# Altium PCB PCB1.PcbDoc (part 1 of 2) (continued)
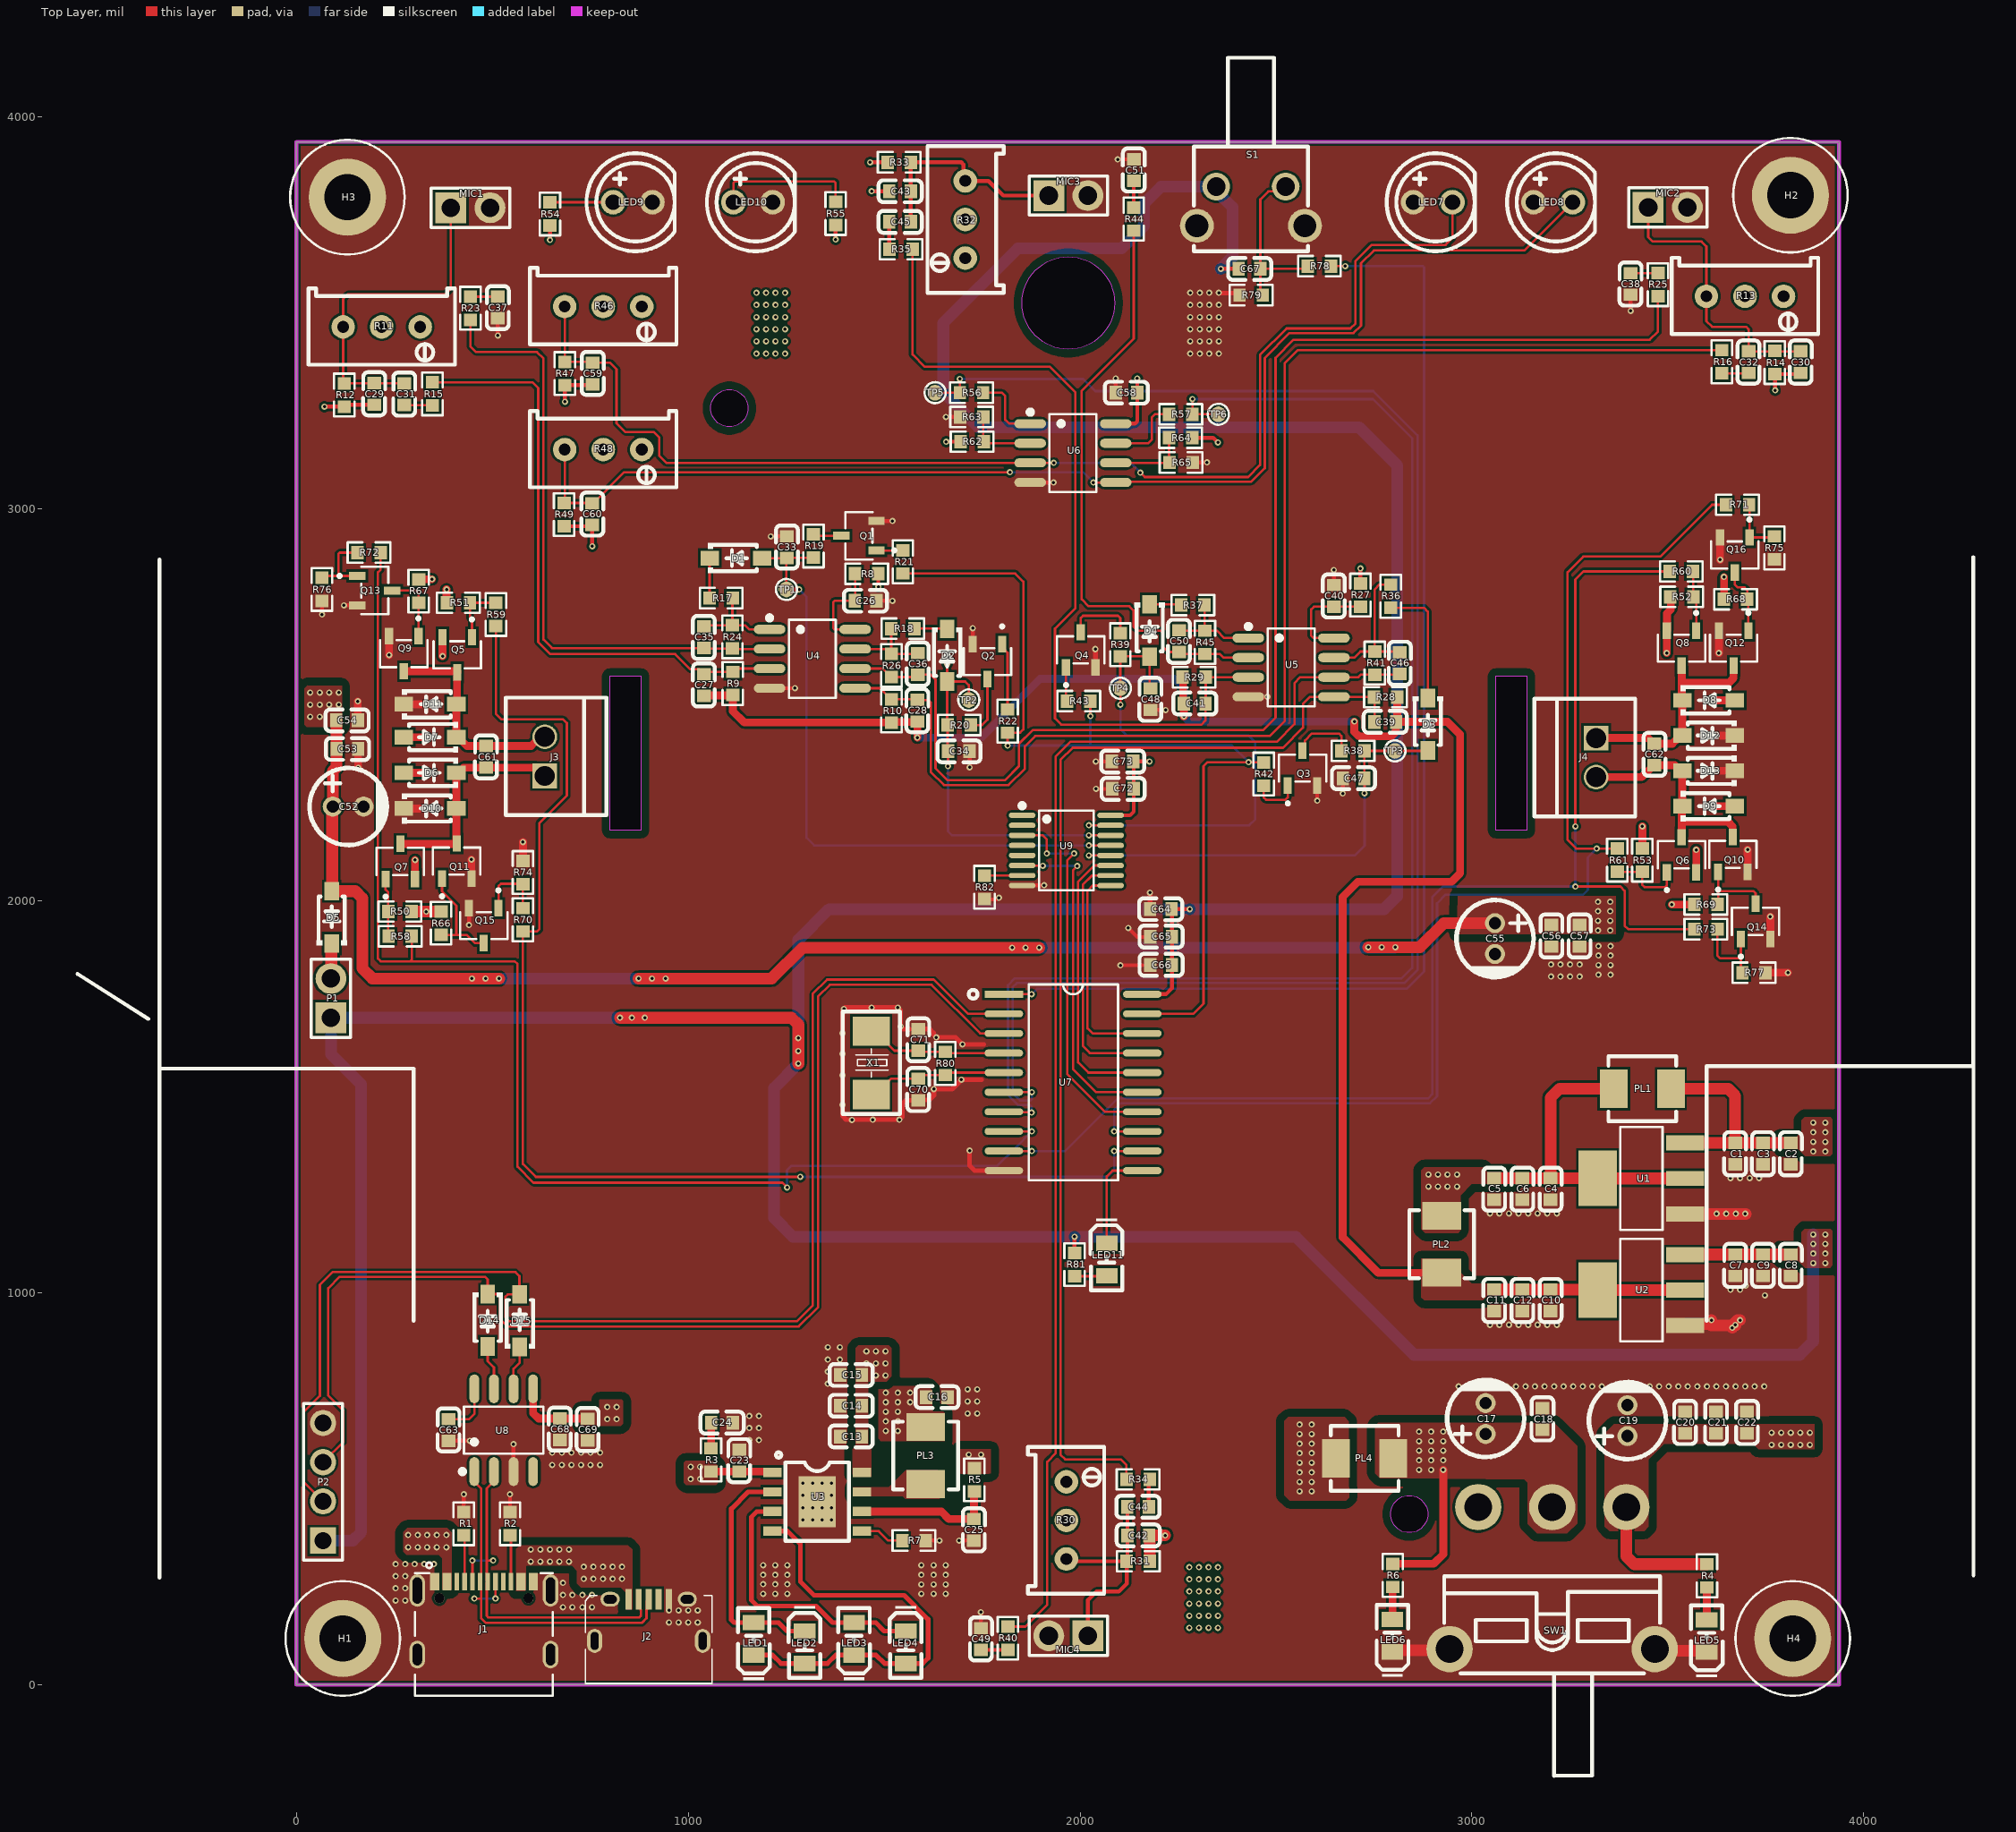
[diagram p0: Top Layer view]
## Design rules (kind name [scope] priority, off if disabled: settings)
Clearance [All] p1: gap=6 ignorepadtopadclearanceinfootprint=TRUE except(20: Fill-Fill Fill-Poly Fill-Region Poly-Poly Poly-Region Region-Region)
DiffPairsRouting [All] p1: maxlimit=8 minlimit=8 mostfreqgap=8 toplayer_minwidth=6.23 toplayer_maxwidth=6.23 toplayer_prefwidth=6.23 midlayer1_minwidth=6.23 midlayer1_maxwidth=6.23 midlayer1_prefwidth=6.23 midlayer2_minwidth=6.23 midlayer2_maxwidth=6.23 midlayer2_prefwidth=6.23 bottomlayer_minwidth=6.23 bottomlayer_maxwidth=6.23 bottomlayer_prefwidth=6.23 maxuncoupledlength=500
MinimumSolderMaskSliver [All] p1: minsoldermaskwidth=4
PolygonConnect POWER [InNetClass('PWR')] p1: connectstyle=Direct reliefconductorwidth=10 reliefentries=4 polygonreliefangle="90 Angle" airgapwidth=10
PolygonConnect [All] p2: thpad.connectstyle=Direct thpad.reliefconductorwidth=10 thpad.reliefentries=4 thpad.polygonreliefangle="90 Angle" thpad.airgapwidth=10 smdpad.connectstyle=Relief smdpad.reliefconductorwidth=10 smdpad.reliefentries=4 smdpad.polygonreliefangle="90 Angle" smdpad.airgapwidth=10 via.connectstyle=Direct via.reliefconductorwidth=10 via.reliefentries=4 via.polygonreliefangle="90 Angle" via.airgapwidth=10
RoutingVias [All] p1: holewidth=8 width=16 viastyle="Through Hole" minholewidth=8 minwidth=16 maxholewidth=8 maxwidth=16
SilkToSilkClearance [All] p1: silktosilkclearance=4
SilkToSolderMaskClearance [IsPad] p1: minsilkscreentomaskgap=4 clearancetoexposedcopper=TRUE
SolderMaskExpansion [All] p1: expansion=4 istentingtop=FALSE
Width PWR [InNetClass('PWR')] p1: maxlimit=30 minlimit=10 preferedwidth=10
Width [All] p2: maxlimit=50 minlimit=6 preferedwidth=6
26 further rules are at their usual default settings.

## Classes and differential pairs
net class PWR: 1.2V 3.3V 5V GND Motor_5V NetD5_1 NetPL3_1 VBAT_5V VBUS VBUS_5V VBUS_OUT
component class 03-MCU: C52 C53 C54 C55 C56 C57 C58 C59 C60 C61 C62 C63 C64 C65 C66 C67 C68 C69 C70 C71 C72 C73 D5 D6 D7 D8 D9 D10 D11 D12 D13 D14 D15 J3 J4 LED7 LED8 LED9 LED10 LED11 P1 P2 Q5 Q6 Q7 Q8 Q9 Q10 Q11 Q12 Q13 Q14 Q15 Q16 R46 R47 R48 R49 R50 R51 R52 R53 R54 R55 R56 R57 R58 R59 R60 R61 R62 R63 R64 R65 R66 R67 R68 R69 R70 R71 R72 R73 R74 R75 R76 R77 R78 R79 R80 R81 R82 S1 TP5 TP6 U6 U7 U8 U9 X1
component class 02-MIC: C26 C27 C28 C29 C30 C31 C32 C33 C34 C35 C36 C37 C38 C39 C40 C41 C42 C43 C44 C45 C46 C47 C48 C49 C50 C51 D1 D2 D3 D4 MIC1 MIC2 MIC3 MIC4 Q1 Q2 Q3 Q4 R8 R9 R10 R11 R12 R13 R14 R15 R16 R17 R18 R19 R20 R21 R22 R23 R24 R25 R26 R27 R28 R29 R30 R31 R32 R33 R34 R35 R36 R37 R38 R39 R40 R41 R42 R43 R44 R45 TP1 TP2 TP3 TP4 U4 U5
component class 01-POWER: BT1 BT2 C1 C2 C3 C4 C5 C6 C7 C8 C9 C10 C11 C12 C13 C14 C15 C16 C17 C18 C19 C20 C21 C22 C23 C24 C25 H1 H2 H3 H4 J1 J2 LED1 LED2 LED3 LED4 LED5 LED6 PL1 PL2 PL3 PL4 R1 R2 R3 R4 R5 R6 R7 SW1 U1 U2 U3
differential pair D: +D_P -D_N

## Components (designator, comment, footprint, x,y, rotation, side; value= is the part's Value field where it differs from the comment)
BT1 "18650" BAT-SMD-18650 2525,1846.5 r0 bottom locked
BT2 "18650" BAT-SMD-18650 1420,1846.5 r180 bottom locked
C1 "10uF" CAP-SMD-0603 3672,1355.44 r90 top
C2 "1uF" CAP-SMD-0603 3814,1355.44 r90 top
C3 "10uF" CAP-SMD-0603 3743,1355.44 r90 top
C4 "22uF" CAP-SMD-0603 3201,1265 r90 top
C5 "1uF" CAP-SMD-0603 3057,1265 r90 top
C6 "100nF" CAP-SMD-0603 3129,1265 r90 top
C7 "10uF" CAP-SMD-0603 3672,1070.44 r90 top
C8 "1uF" CAP-SMD-0603 3814,1070.44 r90 top
C9 "10uF" CAP-SMD-0603 3743,1070.44 r90 top
C10 "22uF" CAP-SMD-0603 3201,981 r90 top
C11 "1uF" CAP-SMD-0603 3057,981 r90 top
C12 "100nF" CAP-SMD-0603 3129,981 r90 top
C13 "22uF" CAP-SMD-0603 1415.44,633.5 r180 top
C14 "22uF" CAP-SMD-0603 1415.44,712 r180 top
C15 "22uF" CAP-SMD-0603 1415.44,790.5 r180 top
C16 "22uF" CAP-SMD-0603 1634.56,734 r180 top
C17 "100uF" CAPA-TH-5020-P2.0 3035,679.37 r90 top
C18 "100nF" CAP-SMD-0603 3180,678 r270 top
C19 "100uF" CAPA-TH-5020-P2.0 3397,674 r90 top
C20 "22uF" CAP-SMD-0603 3544,669 r270 top
C21 "1uF" CAP-SMD-0603 3623,669 r270 top
C22 "100nF" CAP-SMD-0603 3702,669 r270 top
C23 "10uF" CAP-SMD-0603 1130,571.56 r270 top
C24 "10uF" CAP-SMD-0603 1086,669 r180 top
C25 "22uF" CAP-SMD-0603 1729,395.44 r90 top
C26 "100nF" CAP-SMD-0603 1452.6,2765.98 r0 top
C27 "82nF_NC" CAP-SMD-0603 1039.6,2550.98 r270 top
C28 "82nF_NC" CAP-SMD-0603 1584.6,2485.42 r270 top
C29 "82nF_NC" CAP-SMD-0603 198.36,3294 r270 top
C30 "82nF_NC" CAP-SMD-0603 3839,3375 r270 top
C31 "10uF" CAP-SMD-0603 275,3293 r270 top
C32 "10uF" CAP-SMD-0603 3706,3375 r270 top
C33 "10uF" CAP-SMD-0603 1251.6,2902.98 r270 top
C34 "10uF" CAP-SMD-0603 1690.6,2381.98 r180 top
C35 "82nF" CAP-SMD-0603 1039.6,2672.98 r90 top
C36 "82nF" CAP-SMD-0603 1585.6,2604.98 r90 top
C37 "10uF" CAP-SMD-0603 514,3514.56 r90 top
C38 "10uF" CAP-SMD-0603 3405,3574.56 r90 top
C39 "82nF_NC" CAP-SMD-0603 2779,2457 r0 top
C40 "100nF" CAP-SMD-0603 2647.6,2778.53 r90 top
C41 "82nF_NC" CAP-SMD-0603 2292.6,2503.98 r180 top
C42 "82nF_NC" CAP-SMD-0603 2148.56,381 r0 top
C43 "82nF_NC" CAP-SMD-0603 1540.56,3811.08 r180 top
C44 "10uF" CAP-SMD-0603 2148,454 r0 top
C45 "10uF" CAP-SMD-0603 1540.56,3733 r180 top
C46 "82nF" CAP-SMD-0603 2816,2607 r90 top
C47 "10uF" CAP-SMD-0603 2698.04,2312.98 r0 top
C48 "10uF" CAP-SMD-0603 2179.6,2514.98 r90 top
C49 "10uF" CAP-SMD-0603 1746.9,116.66 r270 top
C50 "82nF" CAP-SMD-0603 2252.6,2662.98 r90 top
C51 "10uF" CAP-SMD-0603 2137,3865 r270 top
C52 "100uF" CAPA-TH-5020-P2.0 132,2241 r0 top
C53 "10uF" CAP-SMD-0603 130,2388 r180 top
C54 "100nF" CAP-SMD-0603 129,2461 r180 top
C55 "100uF" CAPA-TH-5020-P2.0 3059,1904 r270 top
C56 "10uF" CAP-SMD-0603 3203,1911 r90 top
C57 "100nF" CAP-SMD-0603 3275,1911 r90 top
C58 "100nF" CAP-SMD-0603 2118.44,3297 r0 top
C59 "100nF" CAP-SMD-0603 756,3346 r270 top
C60 "100nF" CAP-SMD-0603 755,2987 r270 top
C61 "100nF" CAP-SMD-0603 484,2368 r90 top
C62 "100nF" CAP-SMD-0603 3466,2374 r270 top
C63 "100nF" CAP-SMD-0603 388,650 r270 top
C64 "10uF" CAP-SMD-0603 2206,1979 r0 top
C65 "1uF" CAP-SMD-0603 2207,1909 r0 top
C66 "100nF" CAP-SMD-0603 2207,1837 r0 top
C67 "100nF" CAP-SMD-0603 2432.44,3613 r180 top
C68 "100nF" CAP-SMD-0603 672,652 r270 top
C69 "10uF" CAP-SMD-0603 743,651 r270 top
C70 "12pF" CAP-SMD-0603 1587,1519 r90 top
C71 "12pF" CAP-SMD-0603 1587,1645.56 r270 top
C72 "100nF" CAP-SMD-0603 2109.44,2286 r180 top
C73 "20uF" CAP-SMD-0603 2108.44,2356 r180 top
D1 "1N4007" SOD-123-P3.4 1121.6,2874.98 r0 top
D2 "1N4007" SOD-123-P3.4 1660.6,2626.98 r270 top
D3 "1N4007" SOD-123-P3.4 2887.6,2450.98 r270 top
D4 "1N4007" SOD-123-P3.4 2177.6,2689.98 r270 top
D5 "SS14" SOD-123-P3.4 90,1958 r90 top
D6 "SS14" SOD-123-P3.4 341,2327 r180 top
D7 "SS14" SOD-123-P3.4 341,2418 r180 top
D8 "SS14" SOD-123-P3.4 3604,2512 r0 top
D9 "SS14" SOD-123-P3.4 3604,2242 r0 top
D10 "SS14" SOD-123-P3.4 341,2236 r0 top
D11 "SS14" SOD-123-P3.4 341,2502 r0 top
D12 "SS14" SOD-123-P3.4 3604,2422 r180 top
D13 "SS14" SOD-123-P3.4 3604,2332 r180 top
D14 "1N4007" SOD-123-P3.4 488,929.9 r270 top
D15 "1N4007" SOD-123-P3.4 570,929 r90 top
H1 "M3" M3-5030-0.3 118.11,118.11 r0 top locked
H2 "M3" M3-5030-0.3 3813,3801 r0 top locked
H3 "M3" M3-5030-0.3 130,3796 r0 top locked
H4 "M3" M3-5030-0.3 3818.9,118.11 r0 top locked
J1 "TYPE-C-16P" TYPE-C-SMD-16P 478.47,169.99 r0 top
J2 "Microusb" MICROUSB-SMD-5P 899,165 r0 top
J3 "CONN-2P" CONN-TH-CDS-1X2P-P2.54 634,2369 r90 top
J4 "CONN-2P" CONN-TH-CDS-1X2P-P2.54 3317,2366 r270 top
LED1 "25%" LED-SMD-0805 1167,117 r90 top
LED2 "50%" LED-SMD-0805 1297,95.73 r270 top
LED3 "75%" LED-SMD-0805 1423,117 r90 top
LED4 "100%" LED-SMD-0805 1555,95.73 r270 top
LED5 "LED" LED-SMD-0805 3599,124.35 r90 top
LED6 "LED" LED-SMD-0805 2797,125.35 r90 top
LED7 "LED" LED-TH-D5.0-P2.54 2900.3,3783 r0 top
LED8 "LED" LED-TH-D5.0-P2.54 3207.3,3783 r0 top
LED9 "LED" LED-TH-D5.0-P2.54 858.3,3783 r0 top
LED10 "LED" LED-TH-D5.0-P2.54 1165.3,3783 r0 top
LED11 "LED" LED-SMD-0805 2068,1085 r270 top
MIC1 "MIC" CONN-TH-1X2P-P2.54_2 445,3805 r0 top locked
MIC2 "MIC" CONN-TH-1X2P-P2.54_2 3501,3806 r0 top locked
MIC3 "MIC" CONN-TH-1X2P-P2.54_2 1971,3836 r0 top
MIC4 "MIC" CONN-TH-1X2P-P2.54_2 1969,89 r180 top locked
P1 "CONN-HDR-1x2P" CONN-TH-1X2P-P2.54 88,1752 r90 top
P2 "CONN-HDR-1x4P" CONN-TH-1X4P-P2.54 68,518 r90 top
PL1 "1206_0R_NC" PL-SMD_4.4X4.2-P3.7 3435,1521 r180 top
PL2 "1206_0R_NC" PL-SMD_4.4X4.2-P3.7 2923,1124 r270 top
PL3 "1uH" PL-SMD_4.4X4.2-P3.7 1606,584.8 r90 top
PL4 "1206_0R" PL-SMD_4.4X4.2-P3.7 2726.2,578 r0 top
Q1 "SS8050" SOT-23-3-LP2.28-P1.91 1435.6,2931.98 r0 top
Q2 "SS8050" SOT-23-3-LP2.28-P1.91 1763.6,2610.67 r90 top
Q3 "SS8050" SOT-23-3-LP2.28-P1.91 2567.6,2338.98 r270 top
Q4 "SS8050" SOT-23-3-LP2.28-P1.91 2001.6,2640.98 r270 top
Q5 "SS8550" SOT-23-3-LP2.28-P1.91 410.4,2628.32 r90 top
Q6 "SS8550" SOT-23-3-LP2.28-P1.91 3535,2118 r270 top
Q7 "SS8550" SOT-23-3-LP2.28-P1.91 265,2101 r270 top
Q8 "SS8550" SOT-23-3-LP2.28-P1.91 3535,2645 r90 top
Q9 "SS8050" SOT-23-3-LP2.28-P1.91 274,2631 r90 top
Q10 "SS8050" SOT-23-3-LP2.28-P1.91 3666,2119 r270 top
Q11 "SS8050" SOT-23-3-LP2.28-P1.91 409,2102 r270 top
Q12 "SS8050" SOT-23-3-LP2.28-P1.91 3668,2645 r90 top
Q13 "SS8050" SOT-23-3-LP2.28-P1.91 200,2792 r180 top
Q14 "SS8050" SOT-23-3-LP2.28-P1.91 3724,1948 r270 top
Q15 "SS8050" SOT-23-3-LP2.28-P1.91 478,1937 r90 top
Q16 "SS8050" SOT-23-3-LP2.28-P1.91 3671,2883 r90 top
R1 "5.1K" RES-SMD-0603 427,410.66 r270 top
R2 "5.1K" RES-SMD-0603 545,410.66 r90 top
R3 "2R" RES-SMD-0603 1058,573.66 r270 top
R4 "1K" RES-SMD-0603 3600,278 r90 top
R5 "0.5R" RES-SMD-0603 1730,523 r90 top
R6 "1K" RES-SMD-0603 2798,279 r90 top
R7 "0805_0R_NC" RES-SMD-0603 1576,368 r180 top
R8 "10R" RES-SMD-0603 1455.6,2834.98 r0 top
R9 "100K" RES-SMD-0603 1113.6,2554.98 r270 top
R10 "100K" RES-SMD-0603 1518.6,2484.98 r270 top
R11 "100K" RES-TH-ADJ-3396W 217.6,3465 r270 top
R12 "10K" RES-SMD-0603 122,3291 r270 top
R13 "100K" RES-TH-ADJ-3396W 3697,3543 r270 top
R14 "10K" RES-SMD-0603 3773,3374 r270 top
R15 "1K" RES-SMD-0603 347,3294 r90 top
R16 "1K" RES-SMD-0603 3638,3376 r90 top
R17 "100R" RES-SMD-0603 1083.94,2772.98 r180 top
R18 "100R" RES-SMD-0603 1547.6,2694.98 r0 top
R19 "100R" RES-SMD-0603 1319.6,2905.63 r270 top
R20 "100R" RES-SMD-0603 1691.6,2448.98 r180 top
R21 "10K" RES-SMD-0603 1547.6,2865.32 r90 top
R22 "10K" RES-SMD-0603 1815,2459 r90 top
R23 "1K" RES-SMD-0603 444,3512.56 r270 top
R24 "100K" RES-SMD-0603 1112.6,2673.98 r90 top
R25 "1K" RES-SMD-0603 3475,3572.56 r270 top
R26 "100K" RES-SMD-0603 1518.6,2600.98 r90 top
R27 "10R" RES-SMD-0603 2715.6,2780.63 r90 top
R28 "100K" RES-SMD-0603 2779.6,2519.98 r0 top
R29 "100K" RES-SMD-0603 2290.94,2570.98 r180 top
R30 "100K" RES-TH-ADJ-3396W 1965,419.4 r0 top
R31 "10K" RES-SMD-0603 2148.65,315 r0 top
R32 "100K" RES-TH-ADJ-3396W 1707,3739 r180 top
R33 "10K" RES-SMD-0603 1538.36,3885 r180 top
R34 "1K" RES-SMD-0603 2148,524 r180 top
R35 "1K" RES-SMD-0603 1543,3663 r0 top
R36 "100R" RES-SMD-0603 2793,2777.66 r270 top
R37 "100R" RES-SMD-0603 2287.94,2754.98 r180 top
R38 "100R" RES-SMD-0603 2696.6,2382.98 r0 top
R39 "100R" RES-SMD-0603 2102.6,2653.98 r270 top
R40 "1K" RES-SMD-0603 1815.9,118.66 r90 top
R41 "100K" RES-SMD-0603 2752,2607 r90 top
R42 "10K" RES-SMD-0603 2468.6,2323.98 r270 top
R43 "10K" RES-SMD-0603 1996.6,2509.98 r180 top
R44 "1K" RES-SMD-0603 2137,3740 r270 top
R45 "100K" RES-SMD-0603 2318.6,2659.98 r90 top
R46 "10K" RES-TH-ADJ-3396W 783,3517 r270 top
R47 "1K" RES-SMD-0603 685,3346 r270 top
R48 "10K" RES-TH-ADJ-3396W 783,3152 r270 top
R49 "1K" RES-SMD-0603 683,2986 r270 top
R50 "10k" RES-SMD-0603 264,1973 r0 top
R51 "10k" RES-SMD-0603 413.35,2761 r180 top
R52 "10k" RES-SMD-0603 3535.35,2776 r180 top
R53 "10k" RES-SMD-0603 3435,2104 r90 top
R54 "1K" RES-SMD-0603 647,3753 r270 top
R55 "1K" RES-SMD-0603 1376,3754 r270 top
R56 "10R" RES-SMD-0603 1723,3297 r0 top
R57 "10R" RES-SMD-0603 2257,3242 r180 top
R58 "3.3K" RES-SMD-0603 264.65,1910 r180 top
R59 "3.3K" RES-SMD-0603 509,2731 r270 top
R60 "3.3K" RES-SMD-0603 3534.65,2841 r0 top
R61 "3.3K" RES-SMD-0603 3371,2104 r90 top
R62 "10K" RES-SMD-0603 1724.35,3172 r0 top
R63 "10K" RES-SMD-0603 1723.35,3235 r0 top
R64 "10K" RES-SMD-0603 2256.65,3182 r180 top
R65 "10K" RES-SMD-0603 2257.65,3119 r180 top
R66 "10k" RES-SMD-0603 369,1943.34 r90 top
R67 "10k" RES-SMD-0603 312,2790.66 r90 top
R68 "10k" RES-SMD-0603 3673,2770 r180 top
R69 "10k" RES-SMD-0603 3597,1991 r180 top
R70 "3.3K" RES-SMD-0603 578,1952 r270 top
R71 "3.3K" RES-SMD-0603 3678,3011 r180 top
R72 "3.3K" RES-SMD-0603 185,2889 r0 top
R73 "3.3K" RES-SMD-0603 3597,1928 r180 top
R74 "10k" RES-SMD-0603 578,2072.66 r270 top
R75 "10k" RES-SMD-0603 3772,2901 r90 top
R76 "10k" RES-SMD-0603 65,2795 r90 top
R77 "10k" RES-SMD-0603 3720,1817 r180 top
R78 "10R" RES-SMD-0603 2610.65,3620 r0 top
R79 "10K" RES-SMD-0603 2436.65,3546 r0 top
R80 "1K" RES-SMD-0603 1656,1585.34 r90 top
R81 "1K" RES-SMD-0603 1986,1072 r270 top
R82 "0805_0R_NC" RES-SMD-0603 1756,2035 r90 top
S1 "KEY-B-2P" KEY-TH-B-2P 2436,3773 r180 top
SW1 "SS-12D11G5" SW-TH-D-P4.8 3205,272 r0 top
TP1 "TP" TP 1250.6,2794.98 r90 top
TP2 "TP" TP 1716,2513 r90 top
TP3 "TP" TP 2803.6,2382.98 r90 top
TP4 "TP" TP 2102.6,2542.98 r90 top
TP5 "TP" TP 1630,3297 r90 top
TP6 "TP" TP 2353,3242 r90 top
U1 "AMS1117-1.2" SOT-223-4-LP5.7-P2.3 3432.6,1292 r0 top
U2 "AMS1117-3.3" SOT-223-4-LP5.7-P2.3 3432.6,1007 r0 top
U3 "IP5306" ESOP-8-LP5.3-P1.27 1329,467 r270 top
U4 "LMV358" SOIC-8-LP5.5-P1.27 1316.6,2617.98 r270 top
U5 "LMV358" SOIC-8-LP5.5-P1.27 2538.6,2595.98 r270 top
U6 "LMV358" SOIC-8-LP5.5-P1.27 1981.8,3143 r270 top
U7 "STC12C5204AD-35I-SOP20" SOP-20 1982,1537 r270 top
U8 "CH340N" SOP-8-LP5.3-P1.27 529,649.6 r0 top
U9 "74HC4051PW,118" TSSOP-16-LP5.7-P0.65 1965,2129 r270 top
X1 "11.0592M" OSC-5032-SMD-2P 1467,1587 r90 top

## Footprints (in the part's own frame and the unit in brackets; to place one, negate y for a bottom-side part, rotate by r counter-clockwise, add the part's x,y. Pads: shape width x height; smd on the part's side, far side on the other; paste and mask are expansions set on the pad)
BAT-SMD-18650 [mil] "BATTERY-SMD_18650-1S-L77.1-W20.7-1"
  rect 300x200 smd mask+2: 1(0,1626.5) 2(0,-1626.5)
  Keep-Out Layer board cut-out: 362.2,1411.02 362.2,1417.24 358.98,1429.26 352.76,1440.03 343.97,1448.82 333.2,1455.04 321.18,1458.26 308.74,1458.26 296.72,1455.04 285.95,1448.82 277.16,1440.03 270.94,1429.26 267.72,1417.24 267.72,1411.02 267.72,1404.8 270.94,1392.78 277.16,1382.01 285.95,1373.22 296.72,1367 308.74,1363.78 321.18,1363.78 333.2,1367 343.97,1373.22 352.76,1382.01 358.98,1392.78 362.2,1404.8 362.2,1411.02
  silkscreen extent -408,-1518 408,1518, body extent -401,-1702 412,1686, height 724
CAP-SMD-0603 [mm] "贴片电容0603"
  rect 0.8x0.9 smd: 1(-0.7,0) 2(0.7,0)
  silkscreen extent -1.41,-0.71 1.39,0.72, body extent -0.8,-0.4 0.8,0.4, height 0.8
CAPA-TH-5020-P2.0 [mm] "插件电解电容CAP-TH_BD5.0-P2.00-D0.8-FD"
  round 1.3 hole 0.8: 1(-1,0) 2(1,0)
  silkscreen extent -2.5,-2.5 2.5,2.5, body extent -2.5,-2.5 2.5,2.5, height 5
CONN-TH-1X2P-P2.54 [mil] "HDR-TH_2P-P2.54-V-M"
  rect 78.7x78.7 hole 47.2 mask+2: 1(-50,0)
  round 78.7 hole 47.2 mask+2: 2(50,0)
  silkscreen extent -100,-50 100,50, body extent -100,-50 100,50, height 335
CONN-TH-1X2P-P2.54_2 [mil]
  rect 78.7x78.7 hole 47.2 mask+2: 1(-51,-36)
  round 78.7 hole 47.2 mask+2: 2(49,-36)
  silkscreen extent -101,-86 99,14, body extent -118,-118 118,118, height 113
CONN-TH-1X4P-P2.54 [mil] "HDR-TH_4P-P2.54-V-M-1"
  rect 66.9x66.9 hole 43.3 mask+2: 1(-150,0)
  round 66.9 hole 43.3 mask+2: 2(-50,0) 3(50,0) 4(150,0)
  silkscreen extent -200,-50 200,50, body extent -200,-50 200,50, height 336
CONN-TH-CDS-1X2P-P2.54 [mil] "CONN-TH_2P-P2.54_CDS-2P"
  rect 63x63 hole 51.2 mask+2: 1(-50,0)
  round 63 hole 51.2 mask+2: 2(50,0)
  silkscreen extent -150,-158 150,100, body extent -150,-165 150,110, height 470
ESOP-8-LP5.3-P1.27 [mm] "ESOP-8_L4.9-W3.9-P1.27-LS6.0-BL-EP"
  rect 0.6x1.2 smd mask+0.051: 1(-1.905,-2.908) 2(-0.635,-2.908) 3(0.635,-2.908) 4(1.905,-2.908) 5(1.905,2.908) 6(0.635,2.908) 7(-0.635,2.908) 8(-1.905,2.908)
  rect 3.3x2.4 smd mask+0.051: 9(0,0)
  silkscreen extent -3.2,-2.67 2.55,2.05, body extent -2.45,-3.05 2.45,3.05, height 1.68
KEY-TH-B-2P [mil] "KEY-TH_PTS645VXX83XLFS"
  round 70.9 hole 47.2 mask+2: 1(-88.6,-50) 2(88.6,-50)
  round 86.6 hole 59.1 mask+2: 3(-137.8,50) 4(137.8,50)
  silkscreen extent -146,-379 146,115, body extent -165,-373 165,113, height 290
LED-SMD-0805 [mm] "贴片LED灯0805"
  rect 1x1.4 smd: 1(1.05,0) 2(-1.05,0)
  silkscreen extent -2.66,-1.04 1.99,1.01, body extent -1,-0.63 1,0.63, height 1.1
LED-TH-D5.0-P2.54 [mm] "插件LED灯D5.0-LED-TH_BD5.0-P2.54-FD"
  round 1.6 hole 1: 1(-1.27,0) 2(1.27,0)
  silkscreen extent -2.99,-3.17 2.72,3.17, body extent -2.5,-2.9 2.9,2.9, height 11.6
M3-5030-0.3 [mm]
  round 5 hole 3: 1(0,0)
  silkscreen extent -3.71,-3.71 3.71,3.71
MICROUSB-SMD-5P [mm] "MICRO-USB-5pin"
  rect 0.399x1.351 smd mask+0.051: 1(-1.3,1.35) 2(-0.65,1.35) 3(0,1.35) 4(0.65,1.35) 5(1.3,1.35)
  oval 1.001x1.549 hole 0.5 slot 1.151 at 90 deg mask+0.051: 6(-3.5,-1.35) 6(3.5,-1.35)
  oval 1.25x0.95 hole 0.551 slot 0.851 at 0 deg mask+0.051: 6(-2.499,1.35) 6(2.499,1.35)
  silkscreen extent -4.1,-4.1 4.1,1.6, body extent -4,-3.89 4,1.64, height 2.73
OSC-5032-SMD-2P [mm] "OSC-SMD_L5.0-W3.2"
  rect 1.9x2.4 smd mask+0.051: 1(-2.05,0) 2(2.05,0)
  silkscreen extent -3.32,-1.85 3.33,1.85, body extent -2.5,-1.6 2.5,1.6, height 1.42
PL-SMD_4.4X4.2-P3.7 [mil] "IND-SMD_L4.4-W4.2_YXMAA0412"
  rect 70.9x98.4 smd mask+2: 1(-72.8,0) 2(72.8,0)
  silkscreen extent -87,-83 87,83, body extent -87,-83 87,83, height 48
RES-SMD-0603 [mil] "贴片电阻0603"
  rect 31.75x34.02 smd: 1(-29.65,0) 2(29.66,0)
  silkscreen extent -55,-26 55,26, body extent -31,-16 31,16, height 31
RES-TH-ADJ-3396W [mil] "RES-ADJ-TH_3P-L10.0-W10.0-P2.50-BL-BS"
  round 60 hole 30 mask+2: 1(0,98.4) 2(0,0) 3(0,-98.4)
  silkscreen extent -98,-187 97,187, body extent -94,-187 96,187, height 454
SOD-123-P3.4 [mil] "SOD-123_L2.7-W1.6-LS3.7-RD-1"
  rect 47.2x37.4 smd mask+2: 1(-66.9,0) 2(66.9,0)
  silkscreen extent -71,-38 53,38, body extent -73,-31 73,31, height 47
SOIC-8-LP5.5-P1.27 [mil] "SOIC-8_L4.9-W3.9-P1.27-LS6.0-BL"
  oval 23.2x80.5 smd mask+2: 1(-75,-109.1) 2(-25,-109.1) 3(25,-109.1) 4(75,-109.1) 5(75,109.2) 6(25,109.2) 7(-25,109.2) 8(-75,109.2)
  silkscreen extent -110,-115 100,60, body extent -95,-118 95,118, height 67
SOP-8-LP5.3-P1.27 [mil] "SOP-8_L4.9-W3.9-P1.27-LS6.0-BL"
  oval 24.8x73.4 smd mask+2: 1(-75,-105.6) 2(-25,-105.6) 3(25,-105.6) 4(75,-105.6) 5(75,105.6) 6(25,105.6) 7(-25,105.6) 8(-75,105.6)
  silkscreen extent -111,-111 101,60, body extent -96,-118 96,118, height 58
SOP-20 [mm]
  rect 0.456x2.5 smd: 1(-5.715,-4.487)
  oval 0.456x2.5 smd: 2(-4.445,-4.487) 3(-3.175,-4.487) 4(-1.905,-4.487) 5(-0.635,-4.487) 6(0.635,-4.487) 7(1.905,-4.487) 8(3.175,-4.487) 9(4.445,-4.487) 10(5.715,-4.487) 11(5.715,4.488) 12(4.445,4.488) 13(3.175,4.488) 14(1.905,4.488) 15(0.635,4.488) 16(-0.635,4.488) 17(-1.905,4.488) 18(-3.175,4.488) 19(-4.445,4.488) 20(-5.715,4.488)
  silkscreen extent -6.35,-6.76 6.35,2.92
SOT-23-3-LP2.28-P1.91 [mm] "SOT-23-3_L2.9-W1.4-P1.91-LS2.6-BR"
  rect 1.07x0.532 smd: 1(1.135,-0.955) 2(1.135,0.955) 3(-1.135,0)
  silkscreen extent -0.88,-1.54 2.39,1.54, body extent -1.4,-1.54 1.4,1.54, height 1.11
SOT-223-4-LP5.7-P2.3 [mil] "SOT-223-4_L6.5-W3.5-P2.30-LS7.0-BR"
  rect 97.2x38.6 smd mask+2: 1(111.6,-90.5) 2(111.6,0) 3(111.6,90.6)
  rect 97.2x141.7 smd mask+2: 4(-111.6,0)
  silkscreen extent -54,-131 54,131, body extent -138,-128 138,128, height 67
SW-TH-D-P4.8 [mil] "SW-TH_SS-12D11G5"
  round 118.1 hole 70.9 mask+2: 1(189,181.1) 2(0,181.1) 3(-189,181.1) 4(-261.8,-181.1) 5(261.8,-181.1)
  silkscreen extent -276,-504 276,5, body extent -266,-440 266,208, height 260
TP [mil] "TP测试点"
  round 40 smd: 1(0,0)
  silkscreen extent -27,-27 27,27
TSSOP-16-LP5.7-P0.65 [mil] "TSSOP-16_L5.0-W4.4-P0.65-LS6.4-BL"
  oval 13.5x68.2 smd mask+2: 1(-89.6,-112.8) 2(-64,-112.8) 3(-38.4,-112.8) 4(-12.8,-112.8) 5(12.8,-112.8) 6(38.4,-112.8) 7(64,-112.8) 8(89.6,-112.8) 9(89.6,112.8) 10(64,112.8) 11(38.4,112.8) 12(12.8,112.8) 13(-12.8,112.8) 14(-38.4,112.8) 15(-64,112.8) 16(-89.6,112.8)
  silkscreen extent -120,-119 101,70, body extent -98,-130 98,122, height 40
TYPE-C-SMD-16P [mm]
  oval 1x2.1 hole 0.6 slot 1.7 at 90 deg: 17(-4.32,1.787) 18(4.32,1.787)
  oval 1x1.8 hole 0.6 slot 1.4 at 90 deg: 19(4.32,-2.362) 20(-4.32,-2.362)
  round 0.65 hole 0.65 unplated: 21(2.89,1.288) 22(-2.89,1.288)
  rect 0.3x1.15 smd: A1(-3.35,2.362) A4(-2.55,2.362) A5(-1.25,2.362) A6(-0.25,2.362) A7(0.25,2.362) A8(1.25,2.362) A9(2.55,2.362) A12(3.35,2.362) B1(3.05,2.362) B4(2.25,2.362) B5(1.75,2.362) B6(0.75,2.362) B7(-0.75,2.362) B8(-1.75,2.362) B9(-2.25,2.362) B12(-3.05,2.362)
  silkscreen extent -4.47,-5.04 4.47,3.61

## Part data
BT1 BT2: library part CR2032, "纽扣电池CR2032-BS-6-1", JLCPCB Part Class="Extended Part", LCSC Part Name="电池底座 适用电池:CR2032", MANUFACTURER=Q&J, Manufacturer Part=CR2032-BS-6-1, Operating Temperature Range=-, Add into BOM=yes, Battery Type=CR2032, Connector Type=电池底座, Convert to PCB=yes, DATASHEET=https://atta.szlcsc.com/upload/public/pdf/source/20160427/1461725216549.pdf, Device=CR2032-BS-6-1, Supplier=LCSC, Supplier Footprint=SMD, Supplier Part=C70377, Symbol=CR2032-BS-6-1
C1 C2 C3 C4 C5 C6 C7 C8 C9 C10 C11 C12 C13 C14 C15 C16 C18 C20 C21 C22 C23 C24 C25 C26 C27 C28 C29 C30 C31 C32 C33 C34 C35 C36 C37 C38 C39 C40 C41 C42 C43 C44 C45 C46 C47 C48 C49 C50 C51 C53 C54 C56 C57 C58 C59 C60 C61 C62 C63 C64 C65 C66 C67 C68 C69 C70 C71 C72 C73: library part CAP, "贴片电容", BOM_JLCPCB Part Class="Extended Part", BOM_Manufacturer=SAMSUNG, BOM_Manufacturer Part=CL03A104KQ3NNNC, BOM_Supplier=LCSC, BOM_Supplier Part=C160831, Contributor=LCSC, nameAlias=Capacitance, spicePre=C, spiceSymbolName=CL03A104KQ3NNNC
C17 C19 C52 C55: library part CAPA, "电解电容", BOM_JLCPCB Part Class="Extended Part", BOM_Manufacturer=ValuePro, BOM_Manufacturer Part="普通黑色470UF 50V", BOM_Supplier=LCSC, BOM_Supplier Part=C34642, nameAlias=Capacitance, spicePre=C, spiceSymbolName="470UF 50V"
D1 D2 D3 D4 D5 D6 D7 D8 D9 D10 D11 D12 D13 D14 D15: library part Diode, "二极管1N4148W", Average Rectified Current (Io)=150mA, Forward Voltage (Vf@If)=1.25V@150mA, JLCPCB Part Class="Extended Part", LCSC Part Name="100V 150mA 4ns", MANUFACTURER=PSI(宝力芯), Manufacturer Part=1N4148W, Operating Temperature=+150@(Tj), Power Dissipation=350mW, Reverse Leakage Current=1A@75V, Reverse Voltage (Vr)=100V, Add into BOM=yes, Convert to PCB=yes, DATASHEET=https://atta.szlcsc.com/upload/public/pdf/source/20210709/C2840890_3AF002B6505A4091F26B54E36362ABEF.pdf, Device=1N4148W, Diode Configuration=-, Reverse Recovery Time (trr)=4ns, Supplier=LCSC, Supplier Footprint=SOD-123, Supplier Part=C2840890, Symbol=1N4148W_C2840890
H1 H2 H3 H4: "M3螺丝孔"
J1: "TYPE-C-16pin", Current Rating - Power (Max)=3A, JLCPCB Part Class="Extended Part", LCSC Part Name="Type-C 母座 卧贴", MANUFACTURER=kinghelm(金航标), Manufacturer Part=KH-TYPE-C-16P, Operating Temperature Range=-40~+85, Add into BOM=yes, Connector Type=Type-C, Convert to PCB=yes, DATASHEET=https://atta.szlcsc.com/upload/public/pdf/source/20200911/C709357_AA8DCEB38BB20E3035A7ED7AE7667837.pdf, Device=KH-TYPE-C-16P, Gender=母座, Mounting Style=卧贴, Number of Contacts=16, Number of Ports=1, Standard=-, Supplier=LCSC, Supplier Footprint=SMD, Supplier Part=C709357, Symbol=KH-TYPE-C-16P
J2: library part Microusb-5P, "安卓阶梯型USB接口", JLCPCB Part Class="Extended Part", LCSC Part Name="Micro-B 母座", MANUFACTURER=Amphenol, Manufacturer Part=10118194-0001LF, Add into BOM=yes, Connector Type=Micro-B, Convert to PCB=yes, DATASHEET=https://atta.szlcsc.com/upload/public/pdf/source/20210630/C132563_323781699BE9D7BFAD8DF70EA5820798.pdf, Device=10118194-0001LF, Gender=母座, Number of Contacts=5, Number of Ports=1, Standard="USB 2.0", Supplier=LCSC, Supplier Footprint=SMD, Supplier Part=C132563, Symbol=10118194-0001LF
J3 J4: "连接插座2pin", Color=蓝色, Current Rating (Max)=17A, JLCPCB Part Class="Extended Part", LCSC Part Name="5mm 排数:1 每排P数:2 直针 可拼接 铜 环保", MANUFACTURER=KEFA(科发), Manufacturer Part=KF301-5.0-2P, Operating Temperature Range=-30~+120, Voltage Rating (Max)=250V, Add into BOM=yes, Convert to PCB=yes, DATASHEET=https://atta.szlcsc.com/upload/public/pdf/source/20200115/C474881_883EFE2003339C40FD1BEEEFC9A18423.pdf, Device=KF301-5.0-2P, Mounting Style=直针, Number of PINs Per Row=2, Number of Rows=1, Pitch=5mm, Supplier=LCSC, Supplier Footprint=P=5mm, Supplier Part=C474881, Symbol=KF301-5.0-2P, Wire Gauge - AWG=14~22, Wire Gauge - mm?=1.5
LED1 LED2 LED3 LED4: library part LED, "LED灯,发光二极管", BOM_Manufacturer=yongyu(永裕光电), BOM_Manufacturer Part=SZYY0402B, BOM_Supplier=LCSC, BOM_Supplier Part=C434447, Contributor=LCSC, spicePre=L, spiceSymbolName=SZYY0402B
LED5 LED6 LED7 LED8 LED9 LED10 LED11: "LED灯,发光二极管", BOM_Manufacturer=yongyu(永裕光电), BOM_Manufacturer Part=SZYY0402B, BOM_Supplier=LCSC, BOM_Supplier Part=C434447, Contributor=LCSC, spicePre=L, spiceSymbolName=SZYY0402B
MIC1 MIC2 MIC3 MIC4: "咪头MIC COND ANALOG OMNI -38DB"
P1: "排针1*2pin", Color=黑色, Current Rating (Max)=3A, JLCPCB Part Class="Extended Part", LCSC Part Name="2.54mm 1x2P", MANUFACTURER=kinghelm(金航标), Manufacturer Part=KH-2.54PH180-1X2P-L11.5, Operating Temperature Range=-40~+105, Voltage Rating (Max)=-, Add into BOM=yes, Circluar Pins/Square Pins=方针, Contact Material=-, Convert to PCB=yes, DATASHEET=https://atta.szlcsc.com/upload/public/pdf/source/20211019/75EAF9E0823F75B5BB441C07BAE9F5E6.pdf, Device=KH-2.54PH180-1X2P-L11.5, Insulation Height=2.5mm, Length of End Connection Pin=3mm, Length of Mating Pin=6mm, Mounting Type=直插, Number of Pins=2, Number of Rows=1, Pin Structure=1x2P, Pitch=2.54mm, Row Spacing=-, Supplier=LCSC, Supplier Footprint=插件,P=2.54mm, Supplier Part=C2905434, Symbol=KH-2.54PH180-1X2P-L11.5
P2: "排针1*4pin", Color=黑色, Current Rating (Max)=3A, JLCPCB Part Class="Extended Part", LCSC Part Name="2.54mm 1x4P", MANUFACTURER=Wcon(维峰电子), Manufacturer Part=1125-1104G0S116C001, Operating Temperature Range=-40~+105, Voltage Rating (Max)=320V, Add into BOM=yes, Circluar Pins/Square Pins=方针, Contact Material=黄铜, Contact Plating=金, Convert to PCB=yes, DATASHEET=https://atta.szlcsc.com/upload/public/pdf/source/20210514/C920781_63E6ED3EFA6284A9B57E07350A5F58E4.pdf, Device=1125-1104G0S116C001, Insulation Height=2.5mm, Length of End Connection Pin=3mm, Length of Mating Pin=6.1mm, Mounting Type=直插, Number of Pins=4, Number of Rows=1, Pin Structure=1x4P, Pitch=2.54mm, Row Spacing=2.54mm, Supplier=LCSC, Supplier Footprint=插件,P=2.54mm, Supplier Part=C920779, Symbol=1125-1104G0S116C001
PL1 PL2 PL3 PL4: library part PL-IND, "电感", Current Rating=300mA, DC Resistance=200mΩ, Impedance @ Frequency=120Ω@100MHz, JLCPCB Part Class="Extended Part", LCSC Part Name="120Ω@100MHz ±25%", MANUFACTURER=Sunlord(顺络), Manufacturer Part=GZ1608D121TF, TOLERANCE=±25%, Add into BOM=yes, Circuits=1, Convert to PCB=yes, DATASHEET=https://atta.szlcsc.com/upload/public/pdf/source/20210830/355EA7C0FAC5394FC0FE3F17C770C20A.pdf, Device=GZ1608D121TF, Supplier=LCSC, Supplier Footprint=0603, Supplier Part=C12391, Symbol=GZ1608D121TF-C12391
Q1 Q2 Q3 Q4 Q9 Q10 Q11 Q12 Q13 Q14 Q15 Q16: library part NPN-SOT-23-3, "贴片NPN三极管", BOM_JLCPCB Part Class="Extended Part", BOM_Manufacturer=YFW佑风微, BOM_Manufacturer Part=S9013, BOM_Supplier=LCSC, BOM_Supplier Part=C2898668, Contributor=LCSC, spicePre=Q, spiceSymbolName=S9013_C2898668
Q5 Q6 Q7 Q8: library part PNP-SOT-23-3, "贴片PNP三极管", BOM_JLCPCB Part Class="Extended Part", BOM_Manufacturer=YONGYUTAI(永裕泰), BOM_Manufacturer Part=S9012, BOM_Supplier=LCSC, BOM_Supplier Part=C2891799, Contributor=LCSC, spicePre=Q, spiceSymbolName=S9012_C2891799
R1 R2 R3 R4 R5 R6 R7 R8 R12 R14 R15 R16 R17 R18 R19 R20 R21 R22 R23 R25 R27 R31 R33 R34 R35 R36 R37 R38 R39 R40 R42 R43 R44 R47 R49 R50 R51 R52 R53 R54 R55 R56 R57 R58 R59 R60 R61 R62 R63 R64 R65 R66 R67 R68 R69 R70 R71 R72 R73 R74 R75 R76 R77 R78 R79 R80 R81 R82: library part RES, "贴片电阻", BOM_JLCPCB Part Class="Extended Part", BOM_Manufacturer="Chengdu Guosheng Tech", BOM_Manufacturer Part=3362P-1-104, Resistance (Ohms)=100K, BOM_Supplier=LCSC, BOM_Supplier Part=C118966, Contributor=LCSC, nameAlias=Resistance, Resistance(Ohms)=100K, spicePre=R, spiceSymbolName=3362P-1-104_C118966
R9 R10 R24 R26 R28 R29 R41 R45: library part RES, "贴片电阻", BOM_JLCPCB Part Class="Extended Part", BOM_Manufacturer="Chengdu Guosheng Tech", BOM_Manufacturer Part=3362P-1-104, BOM_Supplier=LCSC, BOM_Supplier Part=C118966, Contributor=LCSC, nameAlias=Resistance, Resistance (Ohms)=100K, Resistance(Ohms)=100K, spicePre=R, spiceSymbolName=3362P-1-104_C118966
R11 R13 R30 R32: library part RES-ADJ, "可调电阻,电位器", BOM_JLCPCB Part Class="Extended Part", BOM_Manufacturer="Chengdu Guosheng Tech", BOM_Manufacturer Part=3362P-1-104, BOM_Supplier=LCSC, BOM_Supplier Part=C118966, Contributor=LCSC, nameAlias=Resistance, Resistance (Ohms)=100K, Resistance(Ohms)=100K, spicePre=R, spiceSymbolName=3362P-1-104_C118966
R46 R48: library part RES-ADJ, "可调电阻,电位器", BOM_JLCPCB Part Class="Extended Part", BOM_Manufacturer="Chengdu Guosheng Tech", BOM_Manufacturer Part=3362P-1-104, Resistance (Ohms)=100K, BOM_Supplier=LCSC, BOM_Supplier Part=C118966, Contributor=LCSC, nameAlias=Resistance, Resistance(Ohms)=100K, spicePre=R, spiceSymbolName=3362P-1-104_C118966
S1: "按键开关B", JLCPCB Part Class="Extended Part", LCSC Part Name=轻触开关, MANUFACTURER=C&K, Manufacturer Part=PTS645VL83LFS, Add into BOM=yes, Convert to PCB=yes, DATASHEET=https://atta.szlcsc.com/upload/public/pdf/source/20200930/C879394_D7DA174BB86F37E4F50AF53F8B4AE402.pdf, Device=PTS645VL83LFS, Supplier=LCSC, Supplier Footprint=插件, Supplier Part=C918856, Symbol=PTS645VL83LFS
SW1: library part SW-D-3P, "额定电流(DC)：3A 额定电压(DC)：125V 额定电流(AC)：3A 额定电压(AC)：125V", Actuator Color=黑色, Current Rating (AC)=3A, JLCPCB Part Class=扩展库, MANUFACTURER="XKB Connectivity(中国星坤)", Operating Temperature=-40~+85, Voltage Rating (AC)=125V, Actuator Style=矩形柱状, Add into BOM=yes, Circuit=单刀双掷, Convert to PCB=yes, Current Rating (DC)=3A, DATASHEET=https://atta.szlcsc.com/upload/public/pdf/source/20211009/84F89DEF741E27E9E55DE4039DC07CAD.pdf, Device=SS-12D11G5, LCSC Part Name=SS-12D11G5, Manufacturer Part=SS-12D11G5, Mechanical Life=10000, Mounting Style=弯插, Name=SS-12D11G5, Pin Style=PC引脚, Supplier=LCSC, Supplier Footprint=插件, Supplier Part=C692484, Switch Height=6.3mm, Switch Length=13.5mm, Switch Width=6.6mm, Symbol=SS-12D11G5, Voltage Rating (DC)=125V
TP1 TP2 TP3 TP4 TP5 TP6: "TP测试点"
U1: library part AMS1117-5.0, "稳压器芯片", BOM_JLCPCB Part Class="Extended Part", BOM_Manufacturer=JSMSEMI(杰盛微), BOM_Manufacturer Part=AMS1117-5.0, BOM_Supplier=LCSC, BOM_Supplier Part=C2718490, Contributor=LCSC, spicePre=U, spiceSymbolName=AMS1117-5.0_C2718490
U2: library part AMS1117-5.0_1, "稳压器芯片", BOM_JLCPCB Part Class="Extended Part", BOM_Manufacturer=JSMSEMI(杰盛微), BOM_Manufacturer Part=AMS1117-5.0, BOM_Supplier=LCSC, BOM_Supplier Part=C2718490, Contributor=LCSC, spicePre=U, spiceSymbolName=AMS1117-5.0_C2718490
U3: "充电电池的类型:-;电池单元组数:-;最大充电电流:-;充满的电池组电压:-;最大供应电压:-;", Battery Pack Voltage=-, JLCPCB Part Class=扩展库, MANUFACTURER=INJOINIC(英集芯), Add into BOM=yes, Battery Chemistry=-, Charge Current - Max=-, Convert to PCB=yes, DATASHEET=https://atta.szlcsc.com/upload/public/pdf/source/20180920/C181692_842C9BF636DF123BB66E91FC1AD6F13F.pdf, Device=IP5306, Interface=-, LCSC Part Name=IP5306, Manufacturer Part=IP5306, Name=IP5306, Number of Cells=-, Supplier=LCSC, Supplier Footprint=ESOP-8, Supplier Part=C181692, Symbol=IP5306, Voltage - Supply (Max)=-
U4 U5 U6: "运放IC OPAMP GP 2 CIRCUIT 8SOIC"
U7: "CPU内核:51系列;CPU最大主频:35MHz;工作电压范围:4V~5.5V;内部振荡器:有;外部时钟频率范围:-;程序 FLASH容量:4KB;RAM总容量:256Byte;EEPROM/数据 FLASH容量:1KB;GPIO端口数量:15;ADC(单元数/通道数/位数):1@x8ch/8bit;DAC(单元数/通道数/位数):-;(E)PWM(单元数/通道数/位数):-;8位Timer数量:-;16位Timer数量:2;32位Timer数量:-;内部比较器数量:-;U(S)ART路数:1;I2C路数", External Clock Frequency Rang=-, JLCPCB Part Class=扩展库, MANUFACTURER=STC(宏晶), Maximum Frequency=35MHz, Operating Temperature Range=-40~+85, Supply Voltage Range=4V~5.5V, 8Bit Timer Number=-, 16Bit Timer Number=2, 32Bit Timer Number=-, (E)PWM (Units/Channels/bits)=-, (Q)SPI Number=-, ADC (Units/Channels/bits)=1@x8ch/8bit, Add into BOM=yes, CAN Number=-, CMP Number=-, Convert to PCB=yes, CPU Core=51系列, DAC (Units/Channels/bits)=-, DATASHEET=https://atta.szlcsc.com/upload/public/pdf/source/20120808/1457706523764.pdf, Device=STC12C5204AD-35I-SOP20, EEPROM/Data FLASH Size=1KB, GPIO Ports Number=15, I2C Number=-, I2S Number=-, Internal Oscillator=有, LCSC Part Name=STC12C5204AD-35I-SOP20, Manufacturer Part=STC12C5204AD-35I-SOP20, Name=STC12C5204AD-35I-SOP20, Peripherals / Functions / Protocol Stacks=低电压检测；看门狗；CCP捕获/比较, Program FLASH Size=4KB, RAM Size=256Byte, Supplier=LCSC, Supplier Footprint=SOIC-20_300mil, Supplier Part=C8703, Symbol=STC12C5204AD-35I, U(S)ART Number=1, USB (H/D/OTG)=-
U8: JLCPCB Part Class=扩展库, MANUFACTURER=WCH(南京沁恒), Add into BOM=yes, Convert to PCB=yes, DATASHEET=https://atta.szlcsc.com/upload/public/pdf/source/20220223/82A45E4FF89B3EDCAD50B354450A7EF4.pdf, Device=CH340N, LCSC Part Name=CH340N, Manufacturer Part=CH340N, Name=CH340N, Supplier=LCSC, Supplier Footprint=SOP-8, Supplier Part=C2977777, Symbol=CH340N_C2977777
U9: "复用开关IC MUX/DEMUX 8X1", JLCPCB Part Class=扩展库, MANUFACTURER=Nexperia(安世), Add into BOM=yes, Convert to PCB=yes, DATASHEET=https://atta.szlcsc.com/upload/public/pdf/source/20120413/1457706470089.pdf, Device=74HC4051PW,118, LCSC Part Name=74HC4051PW,118, Manufacturer Part=74HC4051PW,118, Name=74HC4051PW,118, Supplier=LCSC, Supplier Footprint=TSSOP-16, Supplier Part=C5645, Symbol=74HC4051PW,118
X1: library part XTAL-2P-WY, "无源晶振2pin", Equivalent Series Resistance (ESR)=40Ω, Frequency Stability=±30ppm, Frequency Tolerance=±20ppm, JLCPCB Part Class="Extended Part", LCSC Part Name="16MHz ±20ppm 20pF", Load Capacitance=20pF, MANUFACTURER=YXC扬兴科技, Manufacturer Part=X49SM16MSD2SI, Operating Temperature=-40~+85, Add into BOM=yes, Convert to PCB=yes, Crystal Type=49SMD, DATASHEET=https://atta.szlcsc.com/upload/public/pdf/source/20210329/C106809_0E91E60850A780B284B63D653DC40EA4.pdf, Device=X49SM16MSD2SI, Supplier=LCSC, Supplier Footprint=HC-49S/SMD, Supplier Part=C90678, Symbol=X49SM16MSD2SI

## Via types
v1: diameter 16, hole 8, Top Layer to Bottom Layer, 552 vias

## Nets (pads, with @x,y where several pads share a name; then routed paths per layer and width w, separated by ;. In a path a pad name is that pad's centre, name@x,y a point inside that pad or via, vN(x,y) a via of type N, cw(c..) or ccw(c..) an arc to the next point about the centre after c; other vN are vias at no path point)
1.2V: C10.2 C11.2 C12.2 C27.2 C28.2 C39.2 C41.2 PL2.2 R9.2 R10.2 R28.2 R29.2 U2.2 U2.4 | length 4746.8
  Top Layer w20: C27.2@1039.6,2523.42 1040.55,2524.37 1112.65,2524.37 R9.2@1113.6,2525.32 1113.6,2484.4 1142.68,2455.32 R10.2@1518.6,2455.32 1519.87,2456.59 1583.33,2456.59 C28.2@1584.6,2457.87 v1(1584.6,2416.84) ; R29.2@2261.29,2570.98 2263.17,2569.1 2263.17,2505.85 C41.2@2265.04,2503.98 v1(2265.04,2471) ; v1(2700,2458) 2700,2431.72 2711.72,2420 2794.07,2420 2805.78,2431.72 2805.78,2456.23 C39.2@2806.56,2457 C39.2@2809.26,2457 ; C39.2@2807.6,2450.98 2809.26,2452.63 C39.2@2809.26,2457 ; R28.2@2809.26,2519.98 C39.2@2809.26,2457 ; PL2.2@2923,1051.2 2760.8,1051.2 2670,1142 2670,2010 2709,2049 2948,2049 2970,2071 2970,2425 2938,2457 C39.2@2809.26,2457
  Top Layer w30: C11.2@3057,1008.56 C12.2@3129,1008.56 C10.2@3201,1008.56 3319.44,1008.56 U2.4@3321,1007 U2.2@3544.2,1007
  Bottom Layer w20: v1(1584.6,2416.84) 1747.72,2416.84 1897.88,2567 2241.14,2567 2265.04,2543.09 v1(2265.04,2471) 2278.04,2458 v1(2700,2458)
3.3V: C4.2 C5.2 C6.2 C29.2 C30.2 C42.2 C43.2 C58.2 C59.2 C60.2 C72.1 C73.1 PL1.2 PL2.1 R8.2 R11.1 R11.2 R12.2 R13.1 R13.2 R14.2 R27.2 R30.1 R30.2 R31.2 R32.1 R32.2 R33.2 R46.1 R46.2 R47.2 R48.1 R48.2 R49.2 R54.2 R55.2 R62.1 R64.1 U1.2 U1.4 U6.8 U9.16 | length 2193.4
  Top Layer w10: v1(71.65,3261.34) R12.2@122,3261.34 ; R12.2@120.52,3259.86 R12.2@122,3261.34 ; C29.2@198.36,3266.44 127.1,3266.44 R12.2@122,3261.34 ; v1(647,3687) R54.2@647,3723.34 ; R49.2@683,2956.34 751.9,2956.34 C60.2@755,2959.44 v1(755,2905) ; v1(685,3274) R47.2@685,3316.34 753.9,3316.34 C59.2@756,3318.44 ; v1(1376,3688) R55.2@1376,3724.34 ; v1(1464,3885) R33.2@1508.71,3885 ; v1(1468.29,3811.08) C43.2@1513,3811.08 ; v1(1485,2802) 1485,2834.72 R8.2@1485.26,2834.98 ; v1(1658.35,3172) R62.1@1694.69,3172 ; U9.16@2077.8,2218.6 2127.6,2218.6 2137,2228 C72.1@2137,2286 2137,2355 C73.1@2136,2356 v1(2177,2356) ; U6.8@2091,3218 2140.14,3218 2146,3223.86 C58.2@2146,3297 v1(2146,3333.34) ; R64.1@2286.31,3182 2340,3182 v1(2352,3170) ; R27.2@2715.6,2810.29 v1(2715.6,2848.76) ; v1(3774,3303) 3774,3343.34 R14.2@3773,3344.34 3835.9,3344.34 C30.2@3839,3347.44
  Top Layer w30: R31.2@2178.31,315 2178.31,376.83 2176.11,379.03 C42.2@2176.11,381 v1(2217,381) ; C5.2@3057,1292.56 C6.2@3129,1292.56 C4.2@3201,1292.56 ; PL1.2@3362.2,1521 3224,1521 3201,1498 C4.2@3201,1292.56 ; U1.2@3544.2,1292 U1.4@3321,1292 3320.44,1292.56 C4.2@3201,1292.56
  other v1: 2889,1271 2913.38,1271 2937.75,1271 2962.13,1271 2889,1302 2913.38,1302 2937.75,1302 2962.13,1302
5V: C1.2 C2.2 C3.2 C7.2 C8.2 C9.2 C19.1 C20.2 C21.2 C22.2 C64.2 C65.2 C66.2 C67.2 P1.1 P2.1 PL1.1 R4.2 R81.1 S1.2 SW1.1 U1.3 U2.3 U7.20 | length 13436.4
  Top Layer w10: R81.1@1986,1101.66 v1(1986,1143) ; U7.20@2158.67,1762 2219,1762 2234.56,1777.56 C66.2@2234.56,1837 C65.2@2234.56,1909 2234.56,1978 C64.2@2233.56,1979 v1(2280,1979) ; v1(2359,3613) C67.2@2404.89,3613
  Top Layer w30: v1(826,1702) v1(856,1702) v1(889,1702) 1263.43,1702 1281,1684.43 v1(1281,1650) v1(1281,1617) v1(1281,1585) ; SW1.1@3394,453.1 3394,328 3414.35,307.66 R4.2@3600,307.66 ; PL1.1@3507.8,1521 3654,1521 3672,1503 C1.2@3672,1383 ; U2.3@3544.2,1097.6 3544.4,1097.8 3671.8,1097.8 C7.2@3672,1098 C9.2@3743,1098 C8.2@3814,1098 ; U1.3@3544.2,1382.6 3544.4,1382.8 3671.8,1382.8 C1.2@3672,1383 ; C2.2@3814,1383 C3.2@3743,1383 C1.2@3672,1383
  Bottom Layer w10: S1.2@2347.4,3823 2348.4,3822 S1.2@2359,3811.4
  Bottom Layer w30: P2.1@68,368 144,368 165,389 165,1532 88,1609 P1.1@88,1702 v1(826,1702) v1(856,1702) v1(889,1702) ; S1.2@2347.4,3823 2207,3823 2163.01,3779.01 2163.01,3722.23 2105.89,3665.11 1841.11,3665.11 1651,3475 1651,3298 1740,3209 2712,3209 2809.26,3111.75 2809.26,2012.25 2776,1979 v1(2280,1979) 1359,1979 1281,1901 v1(1281,1650) v1(1281,1617) v1(1281,1585) 1219,1523 1219,1191 1267,1143 v1(1986,1143) 2551,1143 2852,842 3837,842 3871,876 v1(3871,1100.38) v1(3871,1124.75) v1(3871,1149.13) ; S1.2@2348.4,3822 2348.4,3810.93 2389,3770.33 2389,3643 v1(2359,3613)
  other v1: 3765,612 3789.38,612 3813.75,612 3838.13,612 3862.51,612 3765,643 3789.38,643 3813.75,643 3838.13,643 3862.51,643 3871,1076 3902,1076 3902,1100.38 3902,1124.75 3902,1149.13 3871,1361 3902,1361 3871,1385.38 3902,1385.38 3871,1409.75 3902,1409.75 3871,1434.13 3902,1434.13
74HC_ADC: U7.14 U9.3 | length 974.5
  Top Layer w6: U9.3@1852.2,2167.4 1904.6,2167.4 1915.09,2156.91 1915.09,2121.09 v1(1915,2121) ; v1(1985,2121) 1967,2103 1967,1559 2064,1462 U7.14@2158.67,1462
  Bottom Layer w6: v1(1915,2121) v1(1985,2121)
74HC_EN: U7.15 U9.6 | length 865.1
  Top Layer w6: U9.6@1852.2,2090.6 1852.5,2090.3 1904.7,2090.3 v1(1905,2090) ; v1(1993,2089) 1982,2078 1982,1571 2041,1512 U7.15@2158.67,1512
  Bottom Layer w6: v1(1905,2090) 1905.5,2089.5 1992.5,2089.5 v1(1993,2089)
D_N: J1.A7 J1.B7 J2.2 U8.2 | length 942.9
  Top Layer w6.23: J1.B7@448.94,263 v1(448.94,316.94) ; v1(501.94,316.94) 485.59,316.94 ; U8.2@504,544 504,519.7 485.59,501.29 485.59,316.94 ; J2.2@873.4,218.15 878.13,213.42 878.13,191.97 879.08,191.02 879.08,175.65 875.44,172 489.24,172 485.59,175.65 485.59,260.27 J1.A7@488.31,263 485.59,265.73 485.59,316.94
  Bottom Layer w6.23: v1(448.94,316.94) v1(501.94,316.94)
D_P: J1.A6 J1.B6 J2.3 U8.1 | length 980.7
  Top Layer w6.23: v1(454,220) 471.36,220 ; U8.1@454,544 454,518.21 471.36,500.85 471.36,265.73 J1.A6@468.63,263 471.36,260.27 471.36,220 ; v1(508,220) J1.B6@508,263 ; J2.3@899,218.15 894.26,213.42 894.26,191.97 893.31,191.02 893.31,169.76 881.33,157.77 483.34,157.77 471.36,169.76 471.36,220
  Bottom Layer w6.23: v1(454,220) v1(508,220)